# KiCad board HW.ACIM-INV.kicad_pcb (continued)
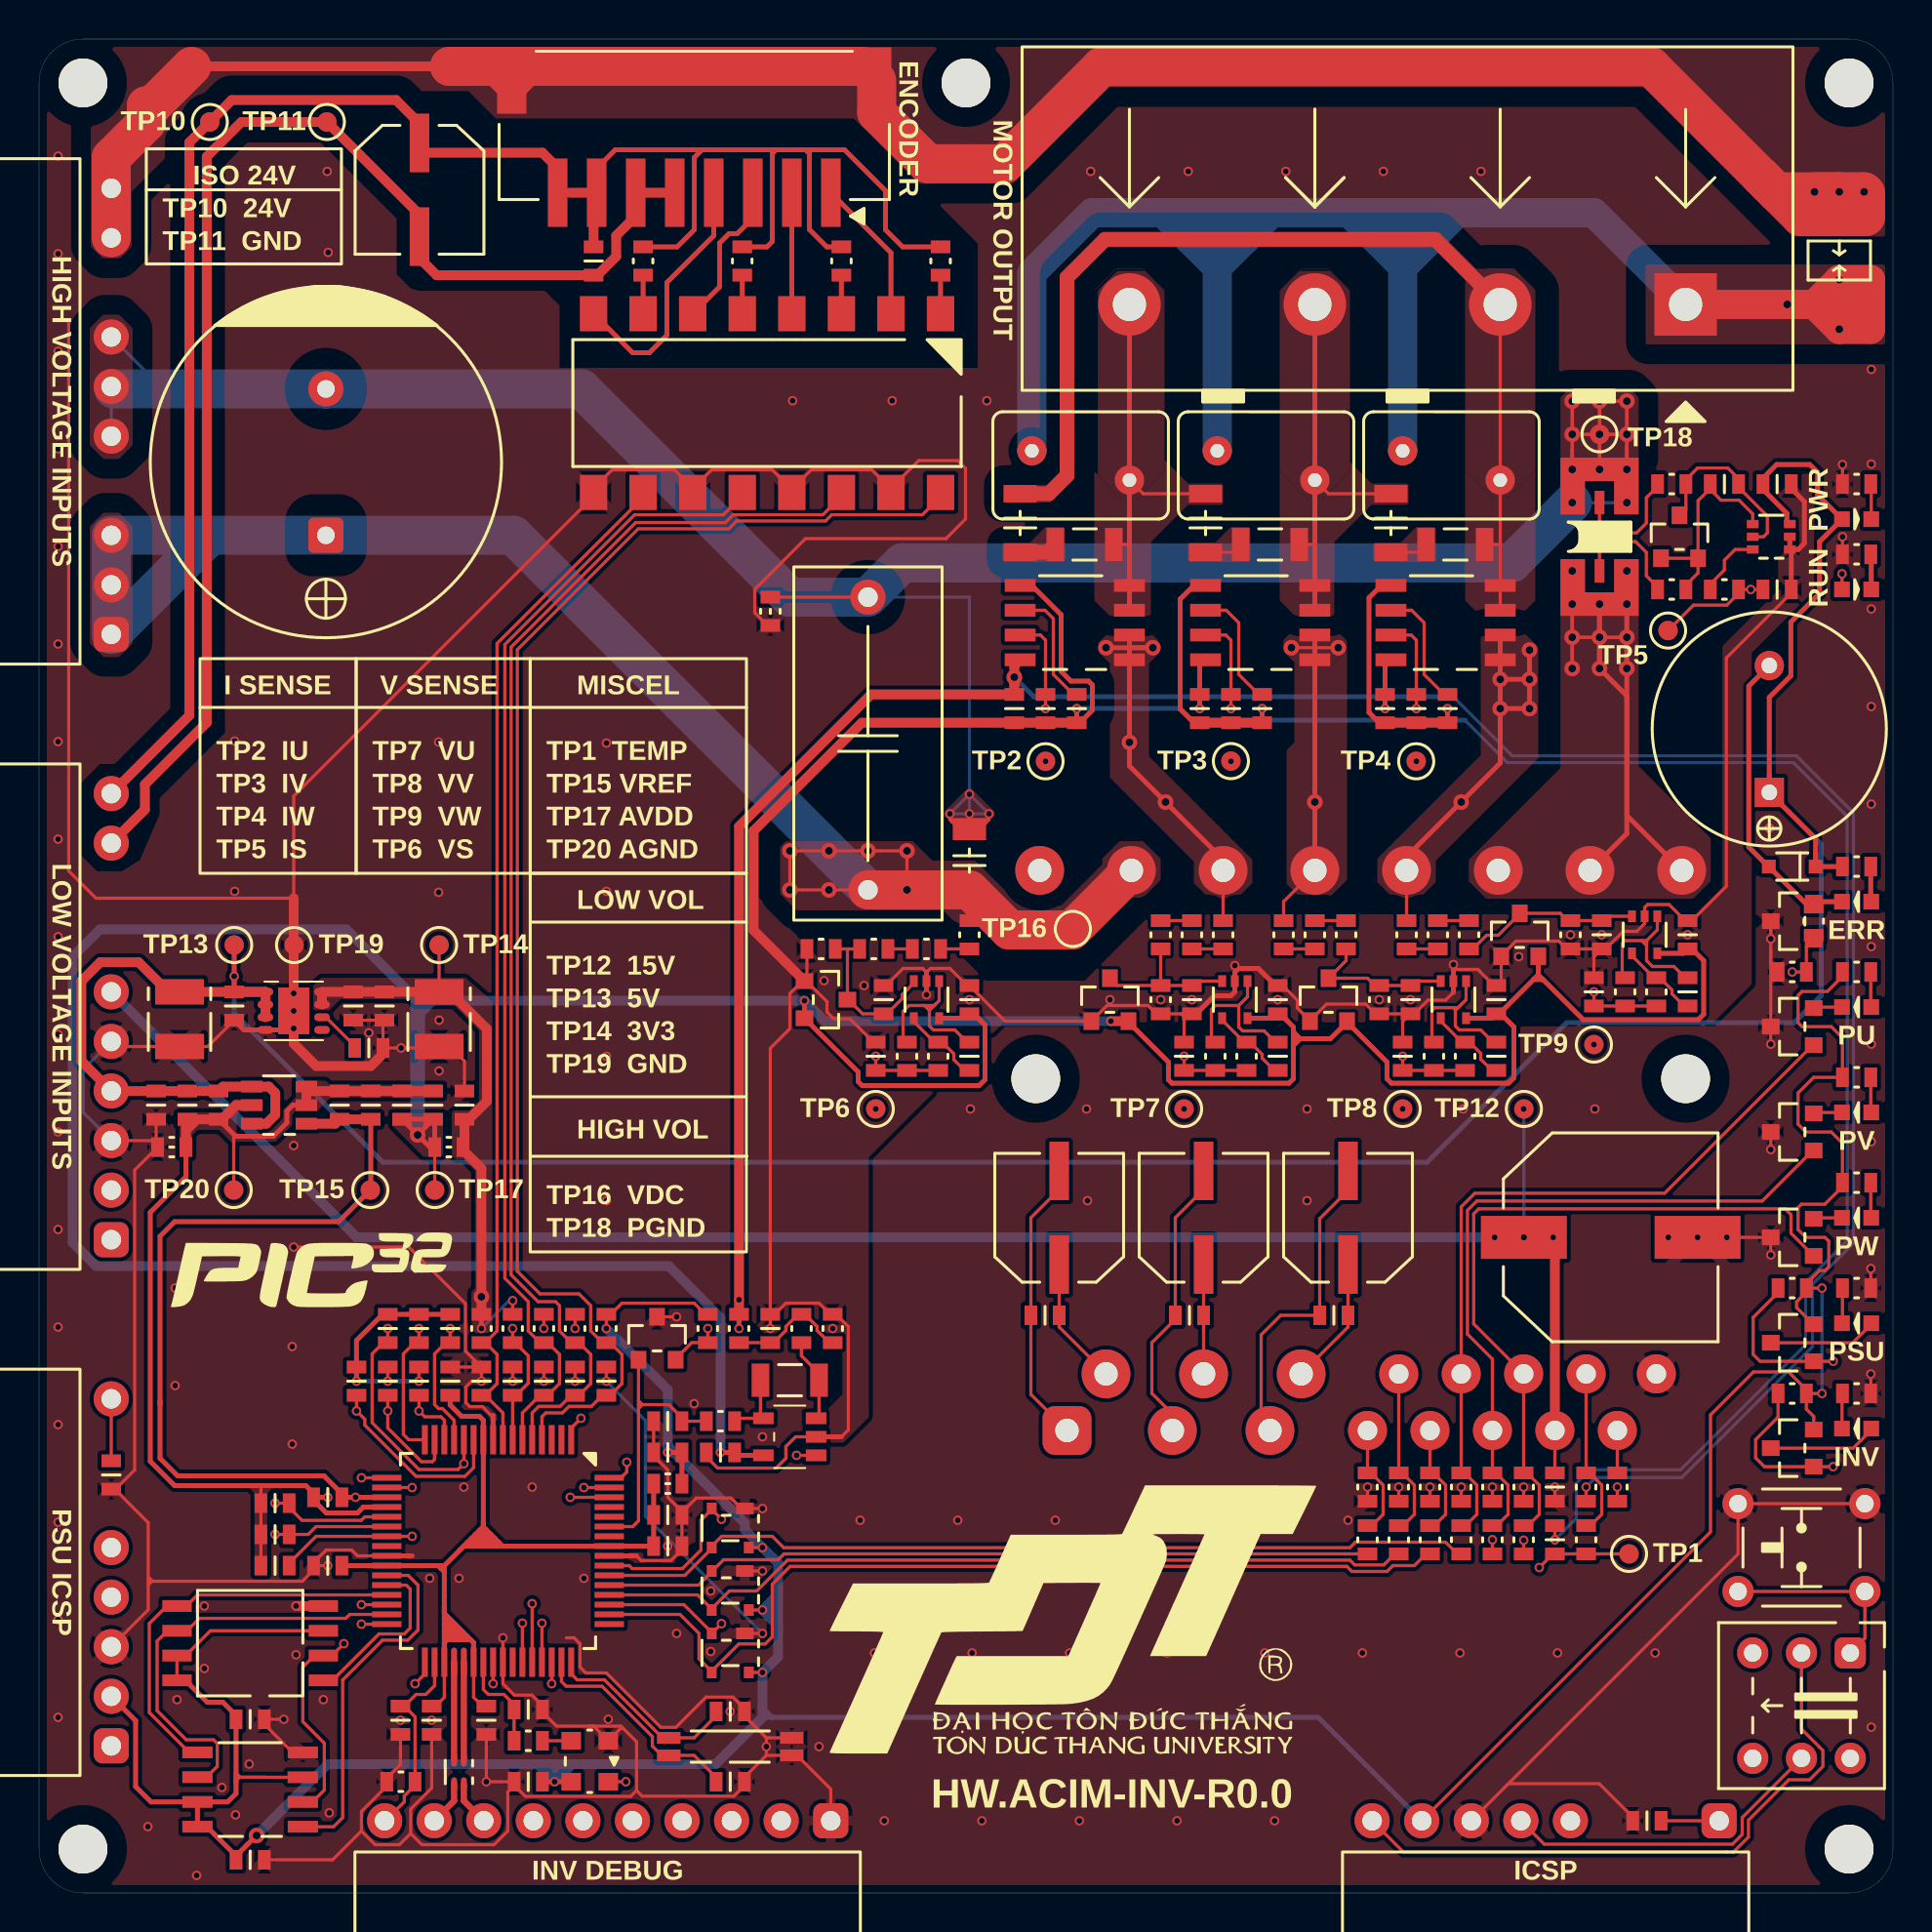
[diagram p0: board, top side]
## Routing (per net, layer and track width the routed paths; a pad name or vN(x,y) marks a point on that pad's centre or on a via; arc(x,y) is an arc through that point) (continued)
/Inverter/MC_IDC_SENSE: length 141
  Top w0.16: v1(17.87,28.92) C43.2 17.64,28.2 17.07,27.62 17.07,24.1 19.47,21.7 21.47,21.7 v1(21.77,22) U5.12 ; C30.2 v1(87.71,66.8) R41.2 87.09,66.59 86.49,66 84.78,66 TP5.1 ; U4.1 v1(38.82,22.42)
  In1.Cu w0.16: v1(17.87,28.92) 18.42,29.47 19.57,29.47 33.61,43.52 42.38,43.52 42.93,44.07 ; v1(38.82,22.42) 37.42,21.02 35.12,21.02 33.62,19.52 24.24,19.52 v1(21.77,22) ; 42.93,44.07 43.69,44.83 54.07,44.83 54.73,44.17 57.88,44.17 58.46,43.59 66.57,43.59 ; 42.93,44.07 43.04,44.17 ; v1(87.71,66.8) 90.81,63.69 90.81,51.69 85.77,46.65 79.47,46.65 79.18,46.36 79.18,44.35 78.62,43.8 76.43,43.8 ; 76.43,43.8 69.51,43.8 69.31,43.59 66.57,43.59 ; 76.43,43.8 76.61,43.8 ; 66.57,43.59 65.31,43.59
/Inverter/MC_IPM_TEMP: length 74.9
  Top w0.16: C18.2 77.47,17.38 ; C18.2 R11.2 TP1.1 ; C18.2 77.57,17.38 v1(76.88,16.67) ; C72.2 12.82,16.9 14.19,18.27 U5.23 v1(19.12,18.27)
  In2.Cu w0.16: 35.25,13.25 35.55,13.55 35.55,13.95 35.35,14.15 35.35,15 35.9,15.55 37.35,15.55 38.48,16.67 v1(76.88,16.67) ; 35.25,13.25 34.83,13.25 ; 35.25,13.25 34.75,13.25 29.73,18.27 19.82,18.27 ; 19.82,18.27 v1(19.12,18.27) ; 19.82,18.27 19.78,18.28
/Inverter/MC_IU_SENSE: length 141.6
  Top w0.16: U5.13 21.27,24.22 20.67,24.82 20.47,24.82 20.27,25.02 20.27,27.62 20.84,28.2 C46.2 v1(21.07,28.92) ; U10.7 51.31,64.46 51.57,64.2 C68.2 v1(51.57,60.69)
  In2.Cu w0.16: v1(21.07,28.92) 21.07,30.95 22.07,31.95 27.97,31.95 33.94,37.92 78.69,37.92 80.52,39.75 80.52,43.26 82.78,45.52 86.11,45.52 89.82,49.24 89.82,57.29 89.57,57.54 87.78,57.54 87.43,57.19 52.38,57.19 v1(51.57,57.99) v1(51.57,60.69)
/Inverter/MC_IV_SENSE: length 134.2
  Top w0.16: U9.7 60.81,64.46 61.07,64.2 C65.2 v1(61.07,60.69) ; C45.2 v1(19.47,24.7) 19.77,24.4 20.59,24.4 20.77,24.22 U5.14
  In2.Cu w0.16: v1(61.07,60.69) v1(61.07,57.99) 61.56,57.51 87.25,57.51 87.62,57.89 89.72,57.89 90.17,57.45 90.17,49.13 86.24,45.2 82.91,45.2 80.85,43.13 80.85,39.58 78.86,37.6 34.12,37.6 28.12,31.6 22.22,31.6 21.55,30.93 21.55,28.72 20.12,27.28 20.12,25.35 v1(19.47,24.7)
/Inverter/MC_IW_SENSE: length 130.1
  Top w0.16: U7.7 70.31,64.46 70.57,64.2 C62.2 v1(70.57,60.69) ; C44.2 v1(17.87,24.7) 17.87,23.82 19.59,22.1 20.14,22.1 20.27,22.22 U5.15
  In2.Cu w0.16: v1(70.57,60.69) v1(70.57,57.99) 87.22,57.99 87.47,58.24 89.83,58.24 90.52,57.55 90.52,49.03 86.34,44.85 83.02,44.85 81.17,43 81.17,39.45 78.96,37.24 34.21,37.24 28.22,31.25 22.37,31.25 21.9,30.78 21.9,28.61 20.47,27.18 20.47,25 19.67,24.2 18.37,24.2 v1(17.87,24.7)
/Inverter/MC_PWM_UH: length 39.5
  Top w0.16: U5.53 33.79,15.77 34.47,16.45 D10.2 34.5,16.5 35.07,17.08 37.88,17.08 38.18,17.38 R13.2
/Inverter/MC_PWM_UL: length 45.2
  Top w0.16: R19.2 72.68,17.38 72.07,17.97 67.46,17.97 67.18,17.69 38.16,17.69 37.57,18.28 34.97,18.28 34.47,17.77 D11.3 34.47,17.65 33.09,16.27 U5.54
/Inverter/MC_PWM_VH: length 42.2
  Top w0.16: R14.2 69.47,17.38 68.91,16.81 67.42,16.81 67.18,17.06 38.36,17.06 36.78,15.47 35.38,15.47 34.47,14.57 D10.3 34.47,14.55 33.74,15.27 U5.52
/Inverter/MC_PWM_VL: length 49.5
  Top w0.16: R21.2 v1(74.47,18.1) ; D11.2 34.47,19.65 ; 34.47,19.65 v1(34.97,19.15) ; 34.47,19.65 33.92,19.1 33.92,17.57 32.97,16.62 30.39,16.62 30.24,16.77 U5.55
  In2.Cu w0.16: v1(74.47,18.1) 73.75,17.37 38.22,17.37 37.4,18.19 35.92,18.19 v1(34.97,19.15)
/Inverter/MC_PWM_WH: length 48.4
  Top w0.16: R15.2 71.07,17.38 70.47,16.78 69.38,16.78 69.07,16.47 67.28,16.47 67.01,16.73 38.49,16.73 37.57,15.82 37.57,13.13 37.21,12.76 35.86,12.76 34.47,11.37 D15.3 34.47,11.35 33.82,12 33.82,13.3 32.84,14.27 U5.50
/Inverter/MC_PWM_WL: length 51.6
  Top w0.16: v1(34.97,13.8) D15.2 34.47,13.35 33.04,14.77 U5.51 ; 75.89,17.38 R22.2 v1(76.07,18.08)
  In2.Cu w0.16: 37.59,16.31 38.33,17.05 ; 37.59,16.31 37.23,15.95 35.85,15.95 34.97,15.07 v1(34.97,13.8) ; 37.59,16.31 37.76,16.47 ; 38.33,17.05 38.14,16.86 ; 38.33,17.05 74.19,17.05 75.22,18.08 v1(76.07,18.08)
/Inverter/MC_VU: length 23.4
  Top w0.16: 60.68,49.83 U1.22
  Top w0.25: 55.88,63.81 U10.1 v2(55.88,58.96) 55.88,57.75 v2(57.72,55.9) 60.68,52.95 U1.22 ; 55.88,63.81 v2(57.07,63.81) v2(54.68,63.81) ; 55.88,63.81 U10.2
  In2.Cu w0.25: 57.43,55.35 57.43,56.15 57.47,56.2 58.07,56.2 ; 58.07,56.2 57.72,56.2 v2(57.72,55.9) ; 58.07,56.2 58.72,56.2 59.03,55.9
/Inverter/MC_VV: length 20.4
  Top w0.16: v2(64.18,63.81) v2(66.57,63.81) ; 63.78,49.83 63.78,50.8 U1.21
  Top w0.25: 65.38,64 U9.1 ; 65.38,64 U9.2 ; 65.38,64 v2(65.38,55.9) U1.21
  In2.Cu w0.25: 64.88,55.8 65.28,56.2 ; 64.97,55.9 v2(65.38,55.9) 65.38,56.2 65.47,56.2 65.88,55.8
/Inverter/MC_VW: length 30.4
  Top w0.16: 70.07,49.83 U1.20
  Top w0.25: v2(74.88,62.19) 74.88,63.65 ; v2(74.88,62.19) v2(74.88,60.69) ; v2(74.88,62.19) v2(76.38,62.19) ; v2(74.88,60.69) 74.88,57.9 v2(72.88,55.9) 70.07,53.1 U1.20 ; v2(74.88,60.69) v2(76.38,60.69) v2(76.38,63.69) ; 74.88,63.65 U7.1 ; 74.88,63.65 U7.2
  In2.Cu w0.25: 73.12,56.21 72.88,56.21 v2(72.88,55.9) ; 73.12,56.21 72.88,55.96 v2(72.88,55.9) ; 73.12,56.21 73.22,56.11 73.01,55.9 v2(72.88,55.9) ; 73.12,56.21 71.97,56.21 70.07,54.31 U1.20
/MCU/CTS2: length 32.5
  Top w0.16: U5.33 19.77,11.22 v1(19.27,10.72)
  In2.Cu w0.16: v1(19.27,10.72) 16.55,8 16.55,3.2 17.2,2.55 31.1,2.55 31.45,2.2 33.56,2.2 33.91,2.55 36.88,2.55 J6.2
/MCU/ENC_A: length 72.4
  Top w0.16: OP1.16 46.19,71.55 45.27,70.62 40.62,70.62 40.3,70.3 35.75,70.3 35.35,69.9 30.71,69.9 24.51,63.71 24.51,31.86 25.67,30.7 27.67,30.7 28.27,30.1 28.27,28.8 28.87,28.2 R70.2 29.27,28.2 29.87,27.6 29.87,26.1 29.27,25.5 C51.2 28.87,25.5 28.3,24.93 27.16,24.93 26.82,24.6 25.97,24.6 25.77,24.4 U5.4
/MCU/ENC_B: length 65.5
  Top w0.16: U5.5 25.27,24.6 25.6,24.93 26.7,24.93 27.27,25.5 C52.2 27.67,25.5 28.27,26.1 28.27,27.6 27.67,28.2 R71.2 27.27,28.2 26.67,28.8 26.67,30.1 26.47,30.3 25.57,30.3 24.19,31.68 24.19,63.84 30.57,70.22 35.17,70.22 35.57,70.62 40.17,70.62 41.12,71.57 OP1.14
/MCU/ENC_HOME: length 53.2
  Top w0.16: U5.8 23.77,24.6 22.87,25.5 ; 22.87,25.5 23.47,26.1 23.47,27.6 22.87,28.2 ; 22.87,25.5 C36.2 ; 22.87,28.2 R62.2 ; 22.87,28.2 23.47,28.8 23.47,64.02 30.96,71.51 OP1.10
/MCU/ENC_INDEX: length 58.9
  Top w0.16: 36.03,71.52 OP1.12 36.03,71.59 35.07,70.62 30.52,70.62 23.87,63.97 23.87,31.5 25.07,30.3 25.07,28.8 25.67,28.2 R72.2 26.07,28.2 26.67,27.6 26.67,26.1 26.07,25.5 C60.2 25.67,25.5 24.77,24.6 U5.6
/MCU/IND_RUN: length 100.9
  Top w0.16: D8.A v1(92.39,67.59) ; v1(27.77,24.32) 27.27,23.82 U5.1
  In2.Cu w0.16: v1(27.77,24.32) 28.87,24.32 29.77,25.22 29.77,32.3 34.39,36.92 79.09,36.92 81.52,39.35 81.52,42.9 83.14,44.52 86.46,44.52 90.87,48.92 90.87,66.08 v1(92.39,67.59)
/MCU/MC_VDC_SENSE: length 53.8
  Top w0.16: C47.2 v1(16.27,24.7) 16.69,24.27 16.69,23.97 19.32,21.35 21.83,21.35 22.27,21.79 U5.11 ; v1(42.88,42.88) C9.1 R3.2
  In1.Cu w0.16: v1(16.27,24.7) 16.77,24.2 19.67,24.2 20.57,25.1 20.57,27.73 21.58,28.74 21.58,30.58 33.87,42.88 v1(42.88,42.88) v1(42.88,40.17)
/MCU/MC_VU_SENSE: length 60.2
  Top w0.16: R10.2 C20.1 v1(58.68,42.88) ; U5.16 18.94,23.22 18.67,23.5 18.67,27.62 19.24,28.2 C69.2 v1(19.47,28.92)
  In1.Cu w0.16: 43.01,43.69 42.51,43.19 33.74,43.19 v1(19.47,28.92) ; 43.01,43.69 43.79,44.47 53.97,44.47 54.62,43.82 57.73,43.82 v1(58.68,42.88) v1(58.68,40.17) ; 43.01,43.69 43.14,43.82
/MCU/MC_VV_SENSE: length 81.6
  Top w0.16: R36.2 C26.1 v1(69.88,42.88) ; v1(12.09,18.37) C70.2 13.79,18.37 14.19,18.77 U5.22
  In1.Cu w0.16: 33.38,18.87 33.95,18.87 35.45,20.37 37.07,20.37 ; 33.38,18.87 33.5,18.87 ; 33.38,18.87 12.59,18.87 v1(12.09,18.37) ; 37.07,20.37 37.4,20.37 ; 37.07,20.37 36.8,20.37 ; 36.6,20.37 36.8,20.37 ; 36.8,20.37 43,20.37 65.5,42.88 v1(69.88,42.88) v1(69.88,40.17)
/MCU/MC_VW_SENSE: length 93.6
  Top w0.16: v1(79.68,46.17) C38.1 R50.2 ; v1(12.09,19.97) C71.2 12.82,19.75 13.47,19.09 16.51,19.09 16.69,19.27 U5.21
  In1.Cu w0.16: v1(79.68,43.47) v1(79.68,46.17) v1(79.68,43.47) ; v1(79.68,43.47) 69.69,43.47 69.49,43.27 65.45,43.27 42.87,20.7 35.32,20.7 33.82,19.2 12.87,19.2 v1(12.09,19.97)
/MCU/PGC: length 105.1
  Top w0.16: U5.17 v1(16.52,21.27)
  In2.Cu w0.16: 77.32,2.55 J2.4 77.32,2.55 ; 77.32,2.55 77.12,2.55 ; 77.12,2.55 37.42,2.55 37.07,2.2 34.07,2.2 33.72,1.85 31.35,1.85 31,2.2 9.49,2.2 4.87,6.82 4.87,16.53 J5.5 7.28,21.27 v1(16.52,21.27) ; 77.12,2.55 77.22,2.55
/MCU/PGD: length 154
  Top w0.16: R56.2 89.11,24.39 87.96,23.23 87.96,22.3 88.41,21.84 Q2.1 v1(91.94,21.84) ; U5.18 v1(19.12,20.77)
  In1.Cu w0.16: 91.57,20.75 91.57,8.14 SW1.4 ; 91.57,20.75 91.57,21.48 v1(91.94,21.84) ; 91.57,20.75 91.57,20.8
  In2.Cu w0.16: 2.52,17.47 2.52,18.17 3.22,18.87 4.42,18.87 7.3,21.75 18.14,21.75 v1(19.12,20.77) ; 2.52,17.47 2.52,15.77 ; 2.52,17.47 2.52,14.47 2.17,14.12 2.17,6.66 2.78,6.05 4.24,6.05 9.11,1.17 30.59,1.17 30.97,0.8 34.08,0.8 34.43,1.15 37.49,1.15 37.84,1.5 77.74,1.5 78.09,1.85 87.25,1.85 88.13,2.73 88.13,5.57 88.41,5.85 91.76,5.85 SW1.4
/MCU/RTS2: length 27.9
  Top w0.16: U5.32 v1(16.52,13.77)
  In2.Cu w0.16: J6.3 35.49,6.73 26.44,15.77 23.82,15.77 21.82,13.77 v1(16.52,13.77)
/MCU/RXD1: length 23.7
  Top w0.16: U5.44 v1(25.27,14.82)
  In2.Cu w0.16: v1(25.27,14.82) 24.67,14.82 24.27,14.42 24.27,13.52 24.47,13.32 24.82,13.32 25.14,13 26.46,13 32.63,6.84 32.63,5.02 32.44,4.84 30.37,4.84 ; 30.37,4.84 30.71,4.84 ; 30.37,4.84 29.01,4.84 J6.6
/MCU/RXD2: length 16.9
  Top w0.16: U5.43 v1(24.77,13.82)
  In2.Cu w0.16: v1(24.77,13.82) 25.27,13.32 26.59,13.32 31.43,8.49 ; 31.43,8.49 31.02,8.9 ; 31.43,8.49 32.95,6.97 J6.4
/MCU/SCK: length 22.1
  Top w0.16: U5.31 15.92,14.27 15.72,14.07 8.22,14.07 7.58,13.43 U13.6 6.58,13.43 6.05,12.91 6.05,9.34 7.54,7.85 8.94,7.85 9.13,7.66 9.13,6.49 8.58,5.93 U11.6
/MCU/SDI: length 14.4
  Top w0.16: v1(15.62,12.77) 15.01,12.16 U13.2 14.11,12.16 13.52,11.57 13.52,8.77 14.62,7.67 14.62,5.27 14.01,4.66 U11.2 ; U5.30 v1(16.52,14.77)
  In2.Cu w0.16: v1(15.62,12.77) 16.02,13.17 16.02,14.27 v1(16.52,14.77)
/MCU/SDO: length 21.2
  Top w0.16: U5.29 8.12,15.27 7.55,14.7 U13.5 6.55,14.7 5.65,13.81 5.65,9.24 7.69,7.2 U11.5 ; 8.62,7.39 8.12,7.39
/MCU/SOSCI: length 11.5
  Top w0.16: U5.47 26.77,10.84 27.01,10.59 28.85,10.59 31.43,8.01 31.43,7.52 31.9,7.05 X1.1 33.57,7.05 34.69,5.92 C98.2
/MCU/SOSCO: length 10.1
  Top w0.16: U5.48 27.27,11.22 27.57,10.92 28.97,10.92 31.94,7.95 X1.4 33.57,7.95 34.69,9.07 C99.2
/MCU/SYS_CLK: length 5.1
  Top w0.16: R111.1 C101.2 24.34,9.65 23.82,10.17 23.02,10.17 22.77,10.42 U5.39
/MCU/SYS_CLK_EN: length 10.9
  Top w0.16: U5.40 v1(23.27,10.72) ; U6.1 v1(30.07,5.7)
  In2.Cu w0.16: v1(23.27,10.72) 28.29,5.7 v1(30.07,5.7)
/MCU/TXD1: length 14.7
  Top w0.16: U5.46 v1(26.27,10.72)
  In2.Cu w0.16: v1(26.27,10.72) 25.17,11.82 22.77,11.82 22.17,11.22 22.17,9.05 25.33,5.89 J6.7
/MCU/TXD2: length 21.8
  Top w0.16: U5.45 v1(25.77,13.82)
  In2.Cu w0.16: 30.92,4.21 J6.5 31.56,2.55 33.46,2.55 34.21,3.3 34.21,4.1 33.27,5.04 33.27,7.14 26.58,13.82 v1(25.77,13.82)
/MCU/USB_DM: length 2.3
  Top w0.32: FT7.3 21.27,4.72 J6.9
/MCU/USB_DP: length 2.3
  Top w0.32: J6.8 21.77,4.72 FT7.2
/MCU/~{IND_ERR}: length 82.1
  Top w0.16: v1(89.84,47.19) R58.1 90.56,48.47 Q3.1 ; v1(30.12,22.07) 30.12,21.57 29.82,21.27 U5.64
  In2.Cu w0.16: v1(30.12,22.07) 30.12,32.15 34.57,36.6 79.24,36.6 81.87,39.23 81.87,42.75 83.32,44.2 86.84,44.2 v1(89.84,47.19)
/MCU/~{INV_FAULT}: length 35.7
  Top w0.16: U5.62 v1(27.22,20.27)
  In2.Cu w0.16: v1(27.22,20.27) 23.99,23.5 13.19,23.5 4.42,32.27 2.92,32.27 2.52,32.67 2.52,34.83 J4.2
/MCU/~{INV_FLT_OC}: length 14.4
  Top w0.16: 30.72,25.02 30.92,25.02 ; 30.72,25.02 30.72,24.82 ; 30.72,25.02 30.72,25.22 ; 30.92,25.02 32.27,25.02 32.94,24.35 C21.2 R27.2 ; 30.92,25.02 30.72,24.82 ; 30.92,25.02 30.72,25.22 ; 30.72,24.82 30.72,19.07 30.42,18.77 U5.59 ; 30.72,25.22 Q1.1
/MCU/~{MCLR}: length 87.8
  Top w0.16: U5.7 C33.2 24.44,25.5 25.07,26.12 25.07,27.52 24.39,28.2 R47.2 v1(24.27,28.92) ; SW1.1 93.56,13.05 BT1.1 BT1.2
  In2.Cu w0.16: v1(24.27,28.92) 25.02,28.17 25.02,24.37 29.62,19.77 35.04,19.77 36.27,18.55 37.5,18.55 38.35,17.69 73.39,17.69 74.29,18.6 76.49,18.6 78.42,16.67 85.84,16.67 BT1.2
/MCU/~{MEM_CFG}: length 8.8
  Top w0.16: U5.28 18.82,15.77 19.02,15.57 19.02,13.57 18.72,13.27 17.42,13.27 15.04,10.89 U13.1
/MCU/~{MEM_TMP}: length 18.3
  Top w0.16: U5.27 18.92,16.27 19.42,15.77 19.42,13.47 18.9,12.95 17.6,12.95 15.56,10.91 15.56,3.86 15.09,3.39 U11.1
/MCU/~{PWR_FAULT}: length 30.8
  Top w0.16: U5.63 v1(27.92,20.77)
  In2.Cu w0.16: J4.1 13.32,23.85 24.1,23.85 26.77,21.17 27.52,21.17 v1(27.92,20.77)
CHASSIS: length 128.9
  Top w0.25: 42.93,92.88 42.2,93.6
  Top w0.5: 21.04,93.6 7.82,93.6
  Top w2: 7.82,93.6 5.8,91.58 5.5,91.58 5.5,90.72 3.7,88.92 J1.10 J1.9 ; G1.1 90.29,85.9 88.22,87.97 ; G1.1 93.6,85.9 93.6,87.09 v2(93.52,87.17) v2(90.98,87.17) ; G1.1 v2(92.25,87.17) 89.02,87.17 88.22,87.97 ; 88.22,87.97 82.61,93.58 54.44,93.58 49.47,88.61 45.54,88.61 42.93,91.22 42.93,92.88 ; 26.22,93.6 21.04,93.6 23.5,93.6 J8.9 24.95,93.6 42.2,93.6
  In1.Cu w2: v2(93.52,87.17) v2(90.98,87.17)
  In2.Cu w2: v2(90.98,87.17) v2(93.52,87.17)
  Bottom w2: v2(90.98,87.17) v2(93.52,87.17) v2(92.25,87.17)
VDC: length 158.9
  Top w0.16: v2(44.47,51.4) v2(44.47,53.4) v2(38.47,53.4) v2(38.47,51.4) v2(40.47,51.4) C1.2 ; 47.68,49.83 C14.1
  Top w2: C1.2 v2(44.47,51.4) C14.1 49.72,49.35 52.93,49.35 TP16.1 U1.23
  In1.Cu w2: C1.2 C14.1 49.78,49.3 52.88,49.3 U1.23
  In2.Cu w2: J1.3 8.78,69.57 ; 8.78,69.57 3.7,64.5 J1.1 ; 8.78,69.57 C75.+ 24.3,69.57 v2(40.47,53.4) C1.2
  Bottom w2: 8.78,69.57 J1.3 J1.1 8.78,69.57 ; 8.78,69.57 24.3,69.57 C1.2
  vias: v2(42.47,53.4)
VREF: length 210.5
  Top w0.16: TP15.1 17,36.04 ; R12.1 v1(79.28,20.8)
  Top w0.25: v2(49.97,62.3) C66.2 ; 6.2,25.07 6.2,33.65 6.95,34.4 15.36,34.4 17,36.04 C55.2 ; 6.2,25.07 6.2,22.27 7.1,21.37 14.6,21.37 15.52,20.46 C95.2 v1(16.22,20.27) U5.19 ; 6.2,25.07 6.2,25.24 ; R28.2 v1(35.87,28.92) ; C63.2 59.47,61.89 ; 59.47,61.89 v1(59.47,60.69) ; 59.47,61.89 59.47,62.89 U9.8 ; v1(68.97,60.69) C61.2 68.97,62.89 U7.8
  Top w0.5: U10.8 49.97,62.89 49.97,61.89 ; C55.2 C53.2 15.17,39.42 U8.1 ; R28.2 v1(35.87,30.4) 35.87,54.65 42.63,61.42 C66.2 v2(49.97,62.3)
  In1.Cu w0.5: v1(35.87,30.4) v1(35.87,28.92) 35.87,27.7 35.37,27.2 33.57,27.2 29.47,23.1 20.47,23.1 17.64,20.27 v1(16.22,20.27)
  Bottom w0.16: 59.47,61.29 v1(59.47,60.69) ; v1(79.28,20.8) 79.76,21.29 84.18,21.29 90.88,27.99 90.88,31.19 92.97,33.29 92.97,55.35 90.05,58.27 75.49,58.27 72.47,61.29
  Bottom w0.25: 68.97,61.29 v1(68.97,60.69) ; 68.97,61.29 50.98,61.29 v2(49.97,62.3) ; 68.97,61.29 72.47,61.29
Net-(BZ1-V-): length 15.7
  Top w0.25: BZ1.1 87.61,61.84 87.61,53.59 88.61,52.59 D7.A 90.49,50.75 Q3.2 90.99,50.8 D6.K
Net-(C11-Pad1): length 2
  Top w0.16: R68.1 70.68,68.7 C11.1
Net-(C12-Pad2): length 2
  Top w0.75: C12.2 51.68,68.7 R69.1
Net-(C13-Pad2): length 2
  Top w0.16: R63.1 61.18,68.7 C13.2
Net-(C22-Pad2): length 6.2
  Top w0.16: R28.1 C22.2 37.64,28.2 38.27,28.82 38.27,29.02 38.89,29.65 R29.2 39.24,29.65 39.87,29.02 39.87,28.82 40.49,28.2 R31.2
Net-(C76-Pad2): length 3
  Top w0.16: J2.1 C76.2
Net-(C77-Pad2): length 3.2
  Top w0.16: C77.2 J5.8
Net-(D1-COM): length 8.4
  Top w0.16: R4.2 R6.1 ; U16.3 44.82,46.62 44.22,46.03 44.22,45.83 43.45,45.05 C10.1 42.2,45.05 41.47,45.78 41.43,45.78 41.43,48.38
Net-(D2-COM): length 7.9
  Top w0.16: R26.2 R33.1 ; R33.1 55.25,46.5 D2.3 ; R33.1 C23.1 59.3,46.72 U2.3
Net-(D3-COM): length 8.1
  Top w0.16: 66.97,46.88 66.88,46.88 ; 66.88,46.88 68.07,46.88 68.45,46.5 R39.1 C28.1 70.5,46.72 U12.3 ; 66.88,46.88 D3.3 66.97,47.78 R37.2 66.88,48.38
Net-(D4-COM): length 9.4
  Top w0.16: R51.2 73.47,48.38 74.18,49.08 74.78,49.08 75.88,50.17 D4.3 77.95,50.2 78.32,49.83 80.07,49.83 80.3,50.05 U15.3
Net-(D5-PadK): length 1.8
  Top w0.16: D5.K 92.39,25.57 R55.2
Net-(D6-PadA): length 1.8
  Top w0.25: D6.A 93.86,50.82 R57.1
Net-(D8-PadK): length 1.8
  Top w0.25: D8.K 93.89,68.57 R59.1
Net-(D9-PadK): length 1.8
  Top w0.16: R60.1 93.89,72.17 D9.K
Net-(D12-PadA): length 1.8
  Top w0.16: R20.1 93.86,45.42 D12.A
Net-(D13-PadA): length 1.8
  Top w0.16: D13.A 93.86,40.02 R64.1
Net-(D14-PadA): length 1.8
  Top w0.16: R66.1 93.86,34.62 D14.A
Net-(D16-PadK): length 1.8
  Top w0.16: R65.2 92.41,29.22 D16.K
Net-(D20-COM): length 9.8
  Top w0.16: C29.1 87.09,72.47 86.54,73.02 84.99,73.02 84.39,72.42 R42.1 84.39,70.92 D20.3 ; C29.1 87.09,72.02 ; C29.1 87.09,71.97 ; C29.1 87.09,72.03 88.56,70.56 88.56,69.69 88.36,69.5 U3.5
Net-(D20-K1): length 11.3
  Top w0.16: D20.2 85.01,67.65 84.39,67.02 R40.1 ; D20.2 85.01,71.35 85.64,71.97 C29.2 85.64,71.92 86.19,71.37 87.11,71.37 87.81,70.67 87.81,70.15 ; D20.2 85.01,68.39 D20.1
Net-(G1-Pad2): length 258.1
  Top w1.5: G1.2 v2(92.25,80.13) ; G1.2 v2(89.58,81.4) ; G1.2 v2(92.25,82.67) ; v2(92.25,80.13) 93.85,80.13 93.85,82.67 v2(92.25,82.67) ; v2(92.25,80.13) 90.98,81.4 ; v2(89.58,81.4) J3.1 ; v2(89.58,81.4) 90.98,81.4 ; 90.98,81.4 v2(92.25,82.67)
  In1.Cu w1.5: J3.1 84.43,81.45 90.47,81.45 ; 92.25,81.45 90.47,81.45 ; 90.47,81.45 90.92,81.45 v2(92.25,80.13) v2(92.25,82.67) 91.03,81.45 90.47,81.45 ; 90.47,81.45 89.64,81.45
  In2.Cu w1.5: 71.65,85.08 72.68,86.1 73.72,86.1 ; 71.65,85.08 69.88,83.3 67.93,85.25 ; 71.65,85.08 68.1,85.08 67.93,85.25 ; 73.72,86.1 79.68,86.1 J3.1 v2(89.58,81.4) 90.98,81.4 ; 73.72,86.1 69.88,86.1 ; 60.38,86.1 64.38,86.1 ; 60.38,86.1 56.78,86.1 ; 60.38,86.1 60.38,83.35 ; 64.38,86.1 65.78,86.1 ; 64.38,86.1 63.12,86.1 62.15,85.12 ; 90.98,81.4 v2(92.25,82.67) v2(92.25,80.13) 90.98,81.4 ; 65.78,86.1 69.88,86.1 ; 65.78,86.1 67.07,86.1 67.93,85.25 ; 56.78,86.1 53.97,86.1 50.88,83 M3.1 ; 56.78,86.1 57.62,86.1 58.55,85.17 ; 58.55,85.17 60.38,83.35 ; 58.55,85.17 58.6,85.12 62.15,85.12 ; 69.88,86.1 M1.1 ; M2.1 60.38,83.35 ; 60.38,83.35 62.15,85.12